# Altium PCB 2025001 B Soutra Plainsong Metronome_PCB.PcbDoc (part 2 of 2)
Units mm, origin at the board's own origin, x right, y up, seen from the top; angles counter-clockwise.
Board outline 140 x 92 mm, 4 copper layers (Top Layer, Layer 1, Layer 2, Bottom Layer), stack 1.587 mm thick; 131 components, 73 nets, 423 pads, 409 vias.
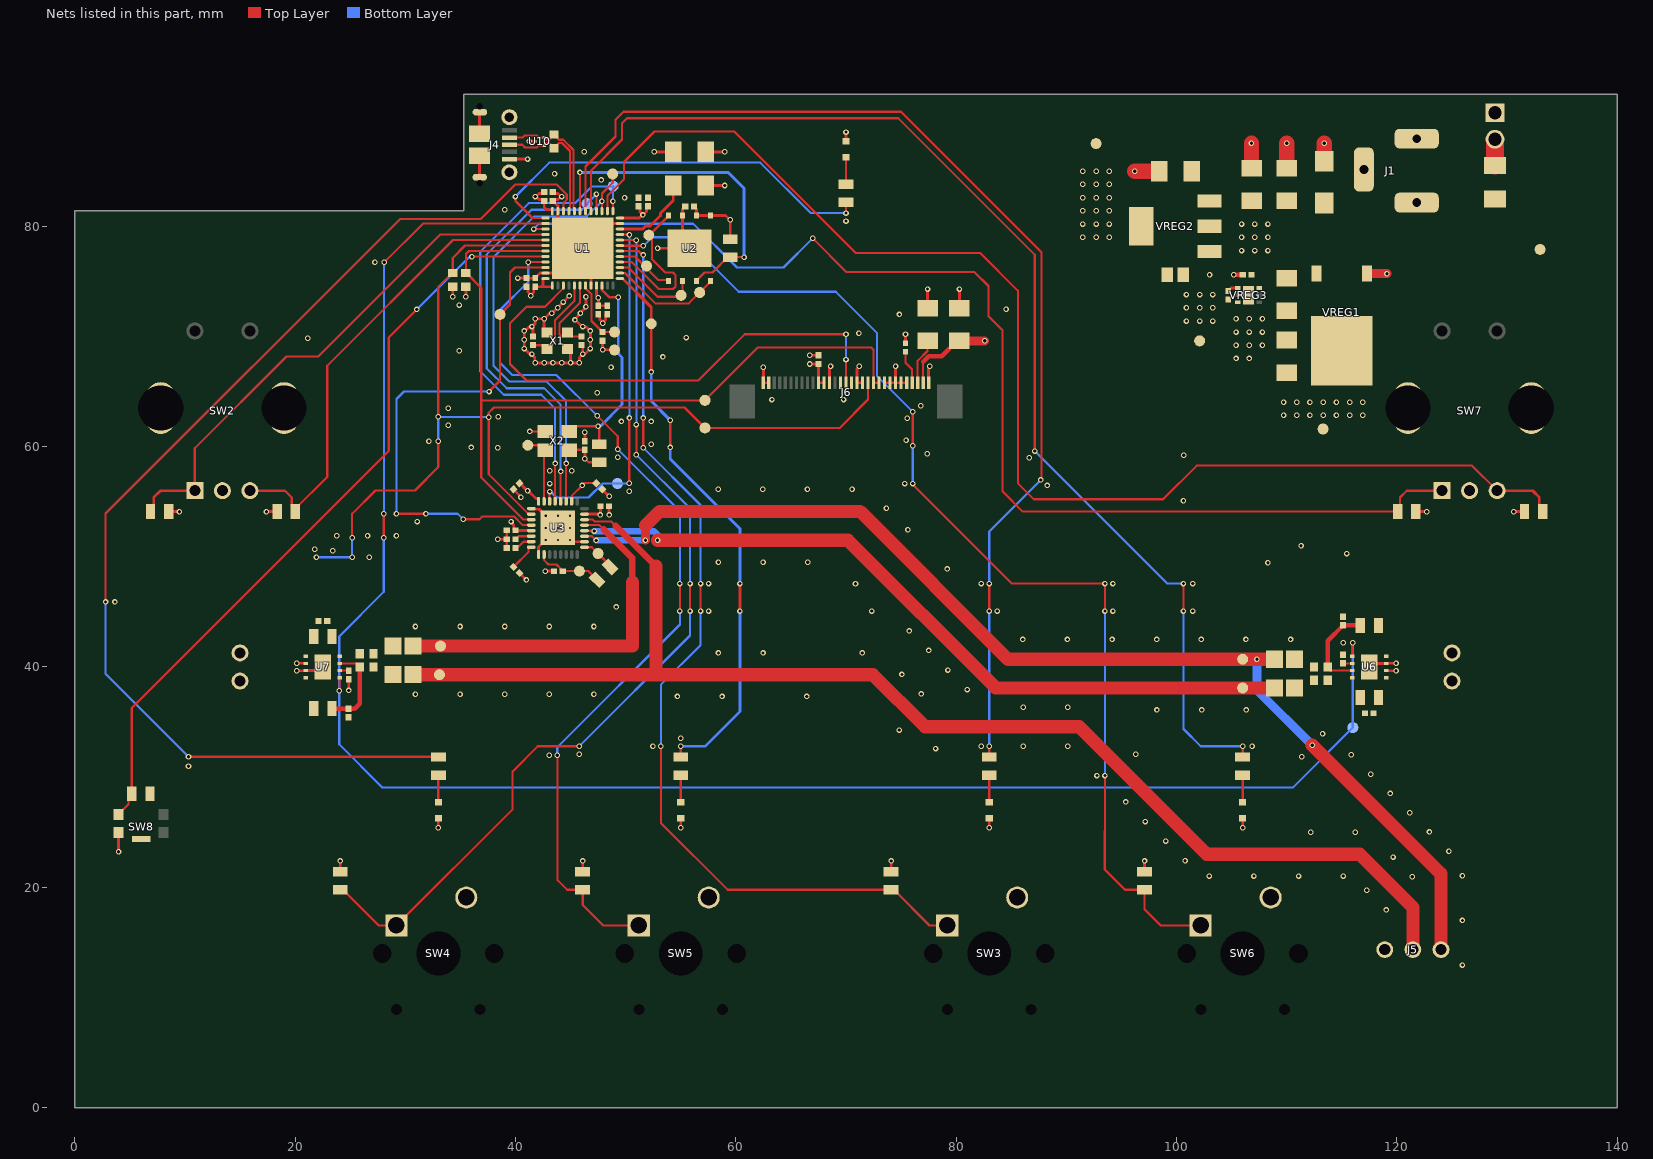
[diagram p4: the nets of this part, all layers, seen from the top]

## Part data (continued)
U6 U7: "Audio Amplifier, 1.4W, 1 Channel(s), 1 Func, BICMOS", Case/Package=HVSON, Manufacturer=Maxim, Max Operating Temperature=85°C, Max Supply Current=8mA, Max Supply Voltage=5.5V, Min Operating Temperature=-40°C, Min Supply Voltage=2.7V, Output Power-Nom=1.4W, Package Equivalence Code=SOLCC8,.12,25, Package Shape=Square, Package Style="SMALL OUTLINE, HEAT SINK/SLUG, VERY THIN PROFILEMeter", Peak Reflow Temperature (Cel)=260°C, Power Supplies=3/5V, Supplier Part Number=2516304, Supplier Part Number 1=MAX9716ETA+TCT-ND, Temperature Grade=INDUSTRIAL, Bandwidth-Nom=22kHz, Category="Amplifiers - Audio", Channels=1, ComponentLink1Description=https://datasheet.ciiva.com:443/pdfs/VipMasterIC/IC/MAXM/MAXMS12627/MAXMS12627-1.pdf?src-supplier=IHS+Markit, ComponentLink1URL=https://datasheet.ciiva.com:443/pdfs/VipMasterIC/IC/MAXM/MAXMS12627/MAXMS12627-1.pdf?src-supplier=IHS+Markit, ComponentLink2Description=https://datasheet.ciiva.com/1481/388069-1481331.pdf?src-supplier=Element14, ComponentLink2URL=https://datasheet.ciiva.com/1481/388069-1481331.pdf?src-supplier=Element14, ComponentLink3Description=https://datasheet.ciiva.com/1790/max9716-max9717-1790242.pdf?src-supplier=Digikey, ComponentLink3URL=https://datasheet.ciiva.com/1790/max9716-max9717-1790242.pdf?src-supplier=Digikey, ComponentLink4Description=https://datasheet.ciiva.com/1790/max9716-max9717-1790243.pdf?src-supplier=Digikey, ComponentLink4URL=https://datasheet.ciiva.com/1790/max9716-max9717-1790243.pdf?src-supplier=Digikey, ComponentLink5Description=https://datasheet.ciiva.com/1790/max9716-max9717-1790244.pdf?src-supplier=Digikey, ComponentLink5URL=https://datasheet.ciiva.com/1790/max9716-max9717-1790244.pdf?src-supplier=Digikey, ComponentLink6Description=https://datasheet.ciiva.com/2968/max9716-max9717-2968854.pdf?src-supplier=Avnet, ComponentLink6URL=https://datasheet.ciiva.com/2968/max9716-max9717-2968854.pdf?src-supplier=Avnet, Consumer IC Type="AUDIO AMPLIFIER", Height - Seated (Max)=0.8mm, JESD-30 Code=S-XDSO-N8, JESD-609 Code=e3, Length=3mm, Manufacturer Part Number=MAX9716ETA+T, Moisture Sensitivity Level=1, Number of Channels=1, Pins=8, Pricing="1=1.41, 10=1.26, 25=1.19, 100=0.982", Pricing 1="1=1.28, 10=1.15, 25=1.08, 100=0.92", Qualification Status="Not Qualified", Reach SVHC Compliant=Yes, RoHS=Yes, RoHS Compliant=Yes, Stock=3265, Supplier=Farnell, Supplier 1=Digikey, Surface Mount=Yes, Technology=BICMOS, Terminal Finish=Tin, Terminal Form="No Lead", Terminal Pitch=0.65mm, Terminal Position=DUAL, Width=3mm
U10: "ESD / Surge Solution for High Speed, Low Voltage Interface, 2 Channels, -40 to +85 degC, 3-pin SOT (DRT), Green (RoHS & no Sb/Br)", Breakdown Voltage(Min)(V)=4.5, Differential Capacitance(pF)=0.05, IO Capacitance(Typ)(pF)=0.7, IO Leakage Current(nA)=10, Manufacturer="Texas Instruments", Supplier Part Number 1=3116501, 1394 / Firewire=TRUE, ComponentLink1Description=Datasheet, ComponentLink1URL=http://www.ti.com/general/docs/lit/getliterature.tsp?genericPartNumber=TPD2EUSB30A&fileType=pdf, ComponentLink2Description="URL Link1", ComponentLink2URL=SamplesURL:http://www.ti.com/product/tpd2eusb30a#samples, DatasheetVersion=SLVSAC2C, Eco-Plan="Green (RoHS & no Sb/Br)", HDMI=TRUE, IEC 61000-4-2 Air-Gap(+/- kV)=8, IEC 61000-4-2 Contact(+/- kV)=8, Manufacturer Part Number=TPD2EUSB30ADRTR, Mounting Technology="Surface Mount", PackageDescription="3-Flat Lead Plastic Small Outline, 1 x 1 mm (inc leads), 0.35 mm Pitch", PackageReference=DRT0003A, PackageVersion="revD, Jun-2008", PartNumber=TPD2EUSB30ADRTR, Pricing 1="5=0.53, 10=0.4, 100=0.22", Serial ATA / eSATA=TRUE, Stock 1=5225, SubFamily="ESD Solution", Supplier 1=Farnell, USB Full Speed=TRUE, USB High Speed=TRUE, USB Super Speed=TRUE
VREG1: Manufacturer=Infineon, Manufacturer Part Number=TLE4284DV50ATMA1, Pricing 1="5=1.49, 50=1.38, 100=1.27", Stock 1=24605, Supplier 1=Farnell, Supplier Part Number 1=TLE4284DV50ATMA1
VREG2: "Fixed Positive LDO Regulator, 3.3V, 1.3V Dropout, BIPolar, PDSO3", Case/Package=SOP, Dropout Voltage1-Max=1.3V, Dropout Voltage1-Nom=1.2V, Input Voltage Absolute-Max=18V, Manufacturer=Diodes, Max Supply Voltage=15V, Operating Temperature, TJ-Max=125°C, Operating Temperature, TJ-Min=-20°C, Output Current1-Max=800mA, Output Voltage1-Max=3.365V, Output Voltage1-Min=3.235V, Output Voltage1-Nom=3.3V, Package Body Material=Plastic, Package Shape=Rectangular, Package Style="SMALL OUTLINEMeter", Supplier Part Number=3483073, Supplier Part Number 1=AZ1117CH-3.3TRG1DICT-ND, Voltage Tolerance-Max=1.97%, Adjustability=FIXED, Category="Voltage Regulators - Linear", Channels=1, ComponentLink1Description=https://datasheet.ciiva.com:443/pdfs/VipMasterIC/IC/DIOD/DIOD-S-A0007713706/DIOD-S-A0007713706-1.pdf?src-supplier=IHS+Markit, ComponentLink1URL=https://datasheet.ciiva.com:443/pdfs/VipMasterIC/IC/DIOD/DIOD-S-A0007713706/DIOD-S-A0007713706-1.pdf?src-supplier=IHS+Markit, ComponentLink2Description=https://datasheet.ciiva.com/29569/az1117c-29569913.pdf?src-supplier=Digikey, ComponentLink2URL=https://datasheet.ciiva.com/29569/az1117c-29569913.pdf?src-supplier=Digikey, ComponentLink3Description=https://datasheet.ciiva.com/29569/az1117c-29569914.pdf?src-supplier=Digikey, ComponentLink3URL=https://datasheet.ciiva.com/29569/az1117c-29569914.pdf?src-supplier=Digikey, ComponentLink4Description=https://datasheet.ciiva.com/29569/az1117c-29569915.pdf?src-supplier=Digikey, ComponentLink4URL=https://datasheet.ciiva.com/29569/az1117c-29569915.pdf?src-supplier=Digikey, Height - Seated (Max)=1.8mm, JESD-30 Code=R-PDSO-G3, JESD-609 Code=e3, Length=6.5mm, Line Regulation-Max=0.01%, Load Regulation-Max=0.015%, Manufacturer Part Number=AZ1117CH-3.3TRG1, Moisture Sensitivity Level=1, Number of Outputs=1, Packaging="Tape and Reel", Pins=3, Pricing="5=0.42, 10=0.25, 100=0.12", Pricing 1="1=0.36, 10=0.27, 25=0.23, 100=0.15", Qualification Status="Not Qualified", Reach SVHC Compliant=Yes, Regulator Type="FIXED POSITIVE SINGLE OUTPUT LDO REGULATOR", RoHS=Yes, RoHS Compliant=Yes, Stock=8830, Supplier=Farnell, Supplier 1=Digikey, Surface Mount=Yes, Technology=BIPOLAR, Terminal Finish=Tin, Terminal Form="Gull Wing", Terminal Pitch=2.3mm, Terminal Position=DUAL, Width=3.5mm
VREG3: "Fixed Positive LDO Regulator", Manufacturer=Diodes, Supplier Part Number=3864505, Supplier Part Number 1=621-AP7370-18FDC-7, Manufacturer Part Number=AP7370-18FDC-7, Pricing="5=0.53, 10=0.42, 100=0.23", Pricing 1="1=0.38, 10=0.271, 100=0.19", RoHS=Yes, Stock=2900, Supplier=Farnell, Supplier 1=Mouser
X1: "Parallel - Fundamental Quartz Crystal", Manufacturer=Multicomp, Supplier Part Number 1=2853878, Manufacturer Part Number=MCSJK-7E-24.00-8-10-60-B-10, Pricing 1="5=0.232, 50=0.188, 250=0.165, 500=0.15, 1500=0.133, 3000=0.129, 15000=0.125, 30000=0.123 (GBP)", RoHS=No, RoHS Compliant=Yes, Stock 1=1530, Supplier 1=Farnell
X2: "CMOS Output Clock Oscillator", Manufacturer=Multicomp, Supplier Part Number 1=2854277, Manufacturer Part Number=MCSJK-3N-12.288-3.3-50-C, Pricing 1="5=0.644, 50=0.522, 250=0.455, 500=0.442, 1500=0.436, 3000=0.43, 15000=0.421, 30000=0.413 (GBP)", RoHS=No, Stock 1=2585, Supplier 1=Farnell

## Via types
v1: diameter 0.5, hole 0.3, Top Layer to Bottom Layer, 385 vias
v2: diameter 2.5, hole 2.5, Top Layer to Bottom Layer, 10 vias
v3: diameter 0.5, hole 0.2, Top Layer to Bottom Layer, 9 vias
v4: diameter 5.5, hole 3.5, Top Layer to Bottom Layer, 5 vias

## Nets (pads, with @x,y where several pads share a name; then routed paths per layer and width w, separated by ;. In a path a pad name is that pad's centre, name@x,y a point inside that pad or via, vN(x,y) a via of type N, cw(c..) or ccw(c..) an arc to the next point about the centre after c; other vN are vias at no path point)
+1V8: C8.1 C22.1 C23.1 C24.1 C28.1 TP4.1 U3.5 U3.23 U3.26 U3.32 VREG3.1 | length 11.7
  Top Layer w0.2: U3.26@45.1,55.04 45.119,55.059 45.119,55.544 v1(46.05,56.475) 46.102,56.475 46.317,56.69 47.31,56.69 C28.1@47.324,56.676
  Top Layer w0.254: v1(39.6,53.2) 39.6,53.133 39.837,52.896 39.837,52.533 39.97,52.4 C23.1@39.99,52.4 41.148,52.4 41.173,52.375 U3.5@41.435,52.375 ; C24.1@40.174,56.662 40.362,56.662 C24.1@40.376,56.676 40.4,56.676 41.076,56 v1(41.1,56) 41.14,56 41.854,55.286 42.079,55.286 42.1,55.265 U3.32@42.1,55.04 ; U3.23@46.265,53.875 47.558,53.875 47.633,53.8 v1(47.7,53.8) 47.705,53.805 47.705,54.595 C22.1@47.71,54.6 ; C8.1@104.67,74.17 C8.1@104.7,74.14 104.7,74.16 104.94,74.4 VREG3.1@105.565,74.4
  other v1: 100.9,71.4 102.1,71.4 103.3,71.4 100.9,72.6 102.1,72.6 103.3,72.6 100.9,73.8 102.1,73.8 103.3,73.8
+3V3: C6.1 C10.1 C11.1 C12.1 C13.1 C14.1 C15.1 C16.1 C17.1 C18.1 C25.1 C41.2 C44.1 J6.11 J6.12 R2.2 R3.2 R4.2 R5.2 R32.2 R33.2 R34.2 R35.2 R36.2 R37.2 R43.2 R44.2 SW8.1 TP3.1 U1.1 U1.9 U1.24 U1.36 U1.48 U2.5 U2.6 VREG2.2 VREG2.4 X2.4 | length 41
  Top Layer w0.2: X2.4@44.935,59.71 C25.1@46.3,59.71 ; v1(46.3,58.9) 46.625,58.575 R5.2@47.6,58.575 R5.2@47.325,58.85 ; v1@46.3,59.01 v1@46.46,58.85
  Top Layer w0.254: v1(3.975,23.225) SW8.1@3.975,25 ; R33.2@8.525,54.1 v1(9.5,54.1) ; v1(17.4,54.1) R32.2@18.375,54.1 ; R35.2@24.1,21.425 v1(24.1,22.4) ; v1(34.3,73.6) R2.2@34.3,74.5 ; v1(35.5,73.6) R3.2@35.5,74.5 ; C12.1@41,74.51 41.133,74.377 41.133,74.034 v1@41.4,73.767 ; v1(41.4,73.7) v1@41.4,73.767 ; v1(41.8,82.7) v1@41.867,82.7 ; C15.1@42.61,83.1 42.477,82.967 42.134,82.967 v1@41.867,82.7 ; U1.48@42.725,75.25 42.502,75.25 42.5,75.248 42.5,74.51 ; U1.1@43.35,74.625 43.35,74.512 43.348,74.51 42.5,74.51 ; U1.36@43.35,81.375 43.35,81.498 43.348,81.5 42.8,81.5 42.61,81.69 C16.1@42.61,82.3 42.477,82.433 42.134,82.433 v1@41.867,82.7 ; R36.2@46.1,21.425 v1(46.1,22.4) ; v1(46.3,58.9) 46.3,59.01 C25.1@46.3,59.71 ; U1.9@47.35,74.625 47.35,73.767 47.525,73.592 C17.1@47.525,72.79 C18.1@48.325,72.79 ; U1.24@49.475,80.75 51.233,80.75 51.508,81.025 v1(51.575,81.025) ; C10.1@51.175,81.81 51.308,81.677 51.308,81.292 v1(51.575,81.025) ; C11.1@52.025,81.81 51.892,81.677 51.892,81.342 v1(51.575,81.025) ; C44.1@56.19,81.8 56.21,81.8 56.435,81.575 U2.6@56.435,80.975 U2.5@57.705,80.975 59.058,80.975 59.433,80.6 v1(59.5,80.6) R4.2@59.5,78.825 ; C13.1@57.276,86.75 v1@58.911,86.75 ; v1(66.7,67.5) 66.705,67.505 67.495,67.505 C41.2@67.5,67.51 J6.11@67.5,65.8 J6.12@68,65.8 ; R34.2@74.1,21.425 v1(74.1,22.4) ; R37.2@97.1,21.425 v1(97.1,22.4) ; R44.2@121.725,54.1 v1(122.7,54.1) ; v1(130.6,54.1) R43.2@131.575,54.1 ; v1@41.4,73.767 41.667,74.034 41.667,74.377 C14.1@41.8,74.51 42.5,74.51
  other v1: 47.525,73.525 91.5,79 92.7,79 93.9,79 91.5,80.2 92.7,80.2 93.9,80.2 91.5,81.4 92.7,81.4 93.9,81.4 91.5,82.6 92.7,82.6 93.9,82.6 91.5,83.8 92.7,83.8 93.9,83.8 91.5,85 92.7,85 93.9,85 59,86.75
+5V: C2.1 TP2.1 U6.6 U7.6 VREG1.2 | length 1.7
  Top Layer w0.254: v1(20.15,40.35) 20.162,40.338 20.937,40.338 U7.6@20.95,40.325 ; U6.6@119.05,39.675 119.062,39.662 119.913,39.662 v1(119.925,39.65)
  other v1: 109.712,62.84 110.912,62.84 112.112,62.84 113.312,62.84 114.512,62.84 115.712,62.84 116.912,62.84 109.712,64.04 110.912,64.04 112.112,64.04 113.312,64.04 114.512,64.04 115.712,64.04 116.912,64.04
+12V: C1.1 C3.1 C4.1 C5.1 C7.1 C43.1 D1.1 F1.2 J6.30 TP1.1 VREG1.3 VREG2.3 VREG3.6 | length 8.3
  Top Layer w0.2: J6.30@77,65.8 77,67.7 ; C43.1@80.124,69.624 C43.1@80.3,69.624 C43.1@80.324,69.6
  Top Layer w0.4: 77,67.7 77.5,68.2 78.7,68.2 C43.1@80.124,69.624
  Top Layer w0.8: C43.1@80.324,69.6 v1(82.6,69.6)
  other v1: 105.9,77.8 107.1,77.8 108.3,77.8 105.9,79 107.1,79 108.3,79 105.9,80.2 107.1,80.2 108.3,80.2
\A\M\P\_\S\H\D\N\: TP31.1 U1.38 U6.1 U7.1 | length 167.6
  Top Layer w0.2: v1(24,37.85) 24.025,37.875 24.025,39 U7.1@24.05,39.025 ; v1(28.05,51.725) v1(28.05,53.9) ; v1(28.1,76.725) 31.625,80.25 U1.38@42.725,80.25 ; U6.1@115.95,40.975 115.975,41 115.975,42.175 v1(116,42.2)
  Bottom Layer w0.2: v1(28.05,51.725) 28.05,46.825 24,42.775 v1(24,37.85) 24,32.975 27.925,29.05 110.55,29.05 TP31.1@116,34.5 v1(116,42.2) ; v1(28.05,53.9) 28.075,53.925 28.075,76.7 v1(28.1,76.725)
\C\O\D\E\C\_\I\R\Q\: TP11.1 U1.46 U3.4 | length 47
  Top Layer w0.2: v1(29.2,53.9) v1(31.875,53.9) ; v1(35.25,53.4) 36.675,53.4 36.7,53.375 36.975,53.65 39.889,53.65 40.664,52.875 U3.4@41.435,52.875 ; v1(37.6,65) 38.6,66 TP11.1@38.6,72 39.5,72.9 39.5,75.8 39.95,76.25 U1.46@42.725,76.25
  Bottom Layer w0.2: v1(29.2,53.9) 29.2,64.325 29.875,65 v1(37.6,65) ; v1(31.875,53.9) 34.75,53.9 v1(35.25,53.4)
\C\S\: TP16.1 U1.14 U2.4 | length 10.2
  Top Layer w0.2: U1.14@49.475,75.75 49.95,75.75 52.7,73 55.73,73 57.705,74.975 U2.4@57.705,75.025
BOOT0: R1.2 SW8.2 U1.44 | length 70.5
  Top Layer w0.2: SW8.2@3.975,26.6 3.975,26.65 4.877,27.552 4.877,28.202 R1.2@5.175,28.5 5.175,36.275 28.498,59.598 28.498,69.898 v1(31.05,72.45) ; v1(36.05,77.225) 36.075,77.25 U1.44@42.477,77.25
  Bottom Layer w0.2: v1(31.05,72.45) 35.778,77.178 36.003,77.178 v1(36.05,77.225)
CANCEL_LED: R40.1 TP32.1 U1.13 | length 51.6
  Top Layer w0.2: R40.1@55,31.825 v1(55,32.8)
  Top Layer w0.254: U1.13@49.475,75.25 49.721,75.25 52.325,72.646 v1(52.325,66.775) ; v1(54.05,59.925) v1(54.05,62.4) ; v1(60.375,45.075) v1(60.375,47.575)
  Bottom Layer w0.254: v1(52.325,66.775) 52.325,64.125 v1(54.05,62.4) ; v1(54.05,59.925) 54.05,58.875 60.375,52.55 v1(60.375,47.575) ; v1(55,32.8) 57.2,32.8 60.375,35.975 v1(60.375,45.075)
D_N: J4.2 R46.1 U1.32 U10.2 | length 12.6
  Top Layer w0.2: J4.2@39.45,88.05 40.672,88.05 40.872,88.25 41.92,88.25 42.12,88.05 U10.2@42.625,88.05 42.675,88 42.675,87.967 42.792,87.85 43.075,87.85 43.175,87.95 43.175,88.05 43.45,88.325 R46.1@43.5,88.325 43.55,88.325 43.825,88.05 43.825,87.967 43.942,87.85 44.349,87.85 45.275,86.924 45.275,81.713 45.35,81.639 U1.32@45.35,81.375
D_P: J4.3 R46.2 U1.33 U10.1 | length 12.1
  Top Layer w0.2: J4.3@39.45,87.4 40.622,87.4 40.872,87.15 41.92,87.15 42.12,87.35 U10.1@42.625,87.35 42.675,87.4 42.675,87.45 42.775,87.55 43.075,87.55 43.175,87.45 43.175,87.35 43.45,87.075 R46.2@43.5,87.075 43.55,87.075 43.825,87.35 43.825,87.433 43.942,87.55 44.225,87.55 44.95,86.825 44.95,81.739 44.86,81.648 44.86,81.385 U1.33@44.85,81.375
FLASH_RESET: R4.1 U1.31 U2.3 | length 30.5
  Top Layer w0.2: U1.31@45.851,81.376 v1(45.852,84.887) ; U2.3@56.435,75.025 56.435,75.075 57.16,75.8 57.875,75.8 59.25,77.175 R4.1@59.5,77.175 ; R4.1@59.525,77.2 v1(60.75,77.2)
  Top Layer w0.254: R4.1@59.5,77.175 R4.1@59.525,77.2
  Bottom Layer w0.254: v1(45.852,84.887) 59.313,84.887 60.75,83.45 v1(60.75,77.2)
GND: C1.2 C2.2 C3.2 C4.2 C5.2 C6.2 C7.2 C8.2 C9.2 C10.2 C11.2 C12.2 C13.2 C14.2 C15.2 C16.2 C17.2 C18.2 C19.2 C20.2 C21.2 C22.2 C23.2 C24.2 C25.2 C26.2 C27.2 C28.2 C29.2 C30.2 C31.2 C32.2 C37.2 C38.2 C41.1 C42.2 C43.2 C44.2 D1.2 D4.1 D5.1 D6.1 D7.1 D10.1 J1.2 J1.3 J4.5 J4.6 J4.7 J4.8 J4.9 J4.10 J4.11 J5.1 J6.1 J6.2 J6.13 J6.15 J6.17 J6.18 J6.19 J6.23 J6.24 J6.25 J6.26 J6.27 J6.31 R1.1 R30.1 SW2.3 SW2.4 SW2.C SW3.2 SW4.2 SW5.2 SW6.2 SW7.3 SW7.4 SW7.C SW8.5 TP6.1 U1.8 U1.23 U1.35 U1.47 U1.49 U2.7 U2.9 U3.1 U3.9 U3.18 U3.33 U6.7 U6.9 U7.7 U7.9 U10.3 VREG1.1 VREG2.1 VREG3.3 VREG3.7 X1.2 X1.4 X2.2 | length 107.9
  Top Layer w0.2: v1(41.3,61.375) X2.2@42.7,61.375 ; J6.1@62.5,65.8 J6.2@63,65.8 ; J6.18@71,65.8 J6.19@71.5,65.8 ; J6.23@73.5,65.8 J6.24@74,65.8 J6.25@74.5,65.8 J6.26@75,65.8 J6.27@75.5,65.8
  Top Layer w0.254: v1(20.15,39.65) 20.162,39.662 20.938,39.662 U7.7@20.95,39.675 22.175,39.675 U7.9@22.5,40 ; v1(24.875,37.875) C38.2@24.875,38.885 ; v1(33,25.4) D5.1@33,26.275 ; J4.11@36.75,83.9 J4.10@36.75,86.4 ; J4.9@36.75,88.4 36.75,90.875 J4.8@36.775,90.9 ; v1(38.4,51.6) C30.2@39.21,51.6 ; C27.2@39.21,50.8 C30.2@39.21,51.6 ; C23.2@39.21,52.4 C30.2@39.21,51.6 ; J4.5@39.45,86.1 v1(41.1,86.1) ; C24.2@39.824,56.124 39.824,56.1 40.5,55.424 v1(40.5,55.4) ; v1(40.2,75.3) 40.205,75.295 40.995,75.295 C12.2@41,75.29 C14.2@41.8,75.29 41.8,75.31 42.238,75.748 42.723,75.748 U1.47@42.725,75.75 43.85,75.75 U1.49@43.9,75.8 ; C29.2@40.376,48.524 v1(41,47.9) ; v1(41.25,87.7) U10.3@41.775,87.7 ; U3.1@41.435,54.375 41.697,54.375 41.72,54.352 41.741,54.352 41.78,54.313 42.162,54.313 v3(42.75,53.725) ; C20.2@41.6,69.99 v1@41.6,70.733 ; U3.9@42.1,50.21 42.1,50.875 v3(42.75,51.525) ; v1(42.7,48.7) C26.2@43.51,48.7 ; X1.4@42.875,70.35 42.6,70.625 v1(42.6,71.6) ; C15.2@43.39,83.1 43.523,82.967 43.866,82.967 v1@44.133,82.7 ; U1.49@43.9,80.2 43.85,80.25 U1.35@43.85,81.375 43.848,81.377 43.848,81.862 43.41,82.3 C16.2@43.39,82.3 43.523,82.433 43.866,82.433 v1@44.133,82.7 ; v1(44.2,82.7) v1@44.133,82.7 ; X1.2@44.725,68.85 45,68.575 v1(45,67.6) ; v1(44.875,73.675) 44.875,73.662 44.35,73.137 v1(44.35,73.125) v1(43.825,72.6) 43.813,72.6 43.313,72.1 v1(43.3,72.1) 43.253,72.053 43.053,72.053 v1(42.6,71.6) ; v3(44.95,51.525) 45.1,51.375 U3.18@46.265,51.375 ; C21.2@46,69.21 46.1,69.11 v1(46.1,68.4) ; v1(46.1,70.9) 46.05,70.9 45.45,71.5 v1(45.4,71.5) 45.4,71.6 v1(45.9,72.1) 45.9,72.15 46.4,72.65 v1(46.4,72.7) v1(46.4,73.6) ; v1@46.142,70.858 46.442,70.858 v1(46.8,70.5) v1(46.8,69.7) v1(46.8,68.9) 46.347,68.447 46.147,68.447 v1(46.1,68.4) ; C25.2@46.3,60.49 v1(46.3,61.3) ; U1.8@46.85,74.625 46.85,75.45 U1.49@47.2,75.8 ; C17.2@47.525,72.01 47.658,71.877 47.658,71.534 v1@47.925,71.267 ; C28.2@47.876,56.124 v1(48.5,55.5) v1@48.495,55.495 ; v1@47.9,68.975 C19.2@47.9,69.61 ; v1@47.925,68.975 v1(47.925,68.8) 48.975,68.8 TP6.1@49,68.775 ; v1(47.925,71.2) v1@47.925,71.267 ; U1.49@48.3,80.2 48.35,80.25 U1.23@49.475,80.25 ; C18.2@48.325,72.01 48.192,71.877 48.192,71.534 v1@47.925,71.267 ; C22.2@48.495,54.605 C22.2@48.49,54.6 48.495,54.595 48.495,53.805 v1(48.5,53.8) ; v1@52.606,86.75 C13.2@54.324,86.75 ; v1(52.9,78) U2.9@55.8,78 55.165,78.635 U2.7@55.165,80.975 55.165,81.575 55.39,81.8 C44.2@55.41,81.8 ; v1(55,25.4) D6.1@55,26.275 ; C9.2@57.276,83.7 v1@59.029,83.7 ; J6.1@62.5,65.8 v1(62.5,67.2) ; v1(66.7,68.3) 66.705,68.295 67.495,68.295 C41.1@67.5,68.29 ; J6.13@68.5,65.8 68.5,67.133 68.6,67.233 v1(68.6,67.3) ; D10.1@70,87.725 v1(70,88.55) ; J6.18@71,65.8 71,67.033 71.2,67.233 v1(71.2,67.3) ; J6.25@74.5,65.8 v1(74.5,67.3) ; R30.1@75.4,69.375 v1(75.4,70.2) ; C42.2@77.4,72.576 v1(77.4,74.3) ; J6.31@77.5,65.8 77.5,67.133 77.6,67.233 v1(77.6,67.3) ; C43.2@80.3,72.576 v1(80.3,74.3) ; v1(83,25.4) D4.1@83,26.275 ; v1(106,25.4) D7.1@106,26.275 ; C3.2@106.8,85.284 C3.2@106.828,85.256 ; C4.2@109.992,85.276 C4.2@110,85.285 ; U6.9@117.5,40 117.825,40.325 U6.7@119.05,40.325 119.063,40.338 119.913,40.338 v1(119.925,40.35) ; v1(42.6,71.6) v1(41.8,71.6) 41.8,71.2 v1(41.5,70.9) 41.453,70.853 41.219,70.853 40.867,70.5 v1(40.8,70.5) v1(40.8,69.7) v1(40.8,68.9) 41.253,68.447 41.453,68.447 v1(41.5,68.4) 41.5,68.333 41.753,68.081 41.753,67.647 v1(41.8,67.6) v1(42.6,67.6) v1(43.4,67.6) v1(44.2,67.6) v1(45,67.6) ; v1(45,67.6) v1(45.8,67.6) 45.8,68.1 v1(46.1,68.4)
  Top Layer w0.4: v1(105.2,75.6) C7.2@106.01,75.6
  Top Layer w0.8: VREG1.1@117.28,75.7 v1(119.1,75.7)
  Top Layer w1.4: v1(96.2,85) C5.2@98.424,85 ; C3.2@106.8,85.284 v1(106.8,87.525) ; C4.2@110,85.285 v1(110,87.525) ; D1.2@113.4,85.9 v1(113.4,87.525)
  other v1: 125.95,12.95 125.95,17 119.025,17.95 117.275,19.725 121.4,20.975 102.975,21.025 107.025,21.025 111.075,21.025 115.125,21.025 125.95,21.05 100.775,22.425 119.65,22.75 124.725,23.275 99.025,24.2 112.175,25 116.225,25 122.95,25.025 97.15,25.975 121.175,26.775 95.4,27.75 119.4,28.525 92.775,30.15 117.625,30.275 10.325,31 111.375,31.85 43.075,32 115.85,32.025 45.8,32.075 96.3,32.075 78.125,32.6 52.475,32.8 82.275,32.8 86.075,32.8 90.125,32.8 106.85,32.8 55,33.525 113.25,33.95 74.825,34.275 98.225,36.1 102.275,36.1 106.325,36.1 86.075,36.35 90.125,36.35 54.7,37.325 58.75,37.325 66.45,37.325 30.925,37.525 34.975,37.525 39.025,37.525 43.075,37.525 47.125,37.525 76.825,37.55 81,37.95 75.075,39.325 79.25,39.725 58.425,41.275 62.475,41.275 71.475,41.275 77.5,41.5 115.125,42.2 86.05,42.5 90.1,42.5 94.15,42.5 98.2,42.5 102.25,42.5 106.3,42.5 110.35,42.5 75.75,43.275 30.925,43.675 34.975,43.675 39.025,43.675 43.075,43.675 47.125,43.675 57.525,45.075 72.325,45.075 83.725,45.075 94.225,45.075 101.475,45.075 49.15,45.45 3.65,45.9 57.525,47.575 70.862,47.563 82.275,47.575 94.225,47.575 101.475,47.575 79.2,48.9 108.3,49.45 58.425,49.5 62.475,49.5 66.525,49.5 26.725,49.95 115.45,50.3 23.425,50.55 21.775,50.7 111.3,51 23.775,51.9 26.575,51.9 29.2,51.9 75.625,52.45 31.1,53.2 73.675,54.4 100.625,55.1 50.325,55.95 58.4,56.125 62.45,56.125 66.5,56.125 70.55,56.125 88.275,56.475 43.1,56.65 75.325,56.65 43.1,57.8 45.1,57.8 86.625,59 49.275,59.05 100.65,59.225 77.375,59.35 38.4,59.9 36,59.925 52.33,60.216 32.15,60.5 75.45,60.575 33.902,61.927 49.616,62.284 52.33,62.284 75.55,62.575 38.45,62.725 33.902,63.473 76.775,63.7 63.275,64.275 69.775,64.275 47.425,64.9 48.675,67.2 105.4,68 106.6,68 53.387,68.138 34.9,68.7 105.4,69.2 106.6,69.2 107.8,69.2 21.15,69.85 55.5,69.9 71.175,70.29 105.4,70.4 106.6,70.4 107.8,70.4 105.4,71.6 106.6,71.6 107.8,71.6 74.85,72 84.525,72.475 34.9,72.85 103,75.6 27.25,76.725 70,80.475 39.025,81.5 49.9,82.575 59,83.7 47.8,84.2 43.55,84.775 46.252,86.752 52.6,86.75
  other v3: 43.85,51.525 42.75,52.625 43.85,52.625 44.95,52.625 43.85,53.725 44.95,53.725
I2S_CK: TP12.1 U1.21 U3.30 | length 32.3
  Top Layer w0.2: U3.30@43.1,55.04 v1(43.1,55.925) ; U1.21@49.475,79.25 49.485,79.24 v1(50.346,79.24) ; v1(50.325,56.675) 50.335,56.685 50.335,62.59 v1(50.346,62.6)
  Bottom Layer w0.2: v1(43.1,55.925) 43.181,55.925 43.731,55.375 46.625,55.375 47.892,56.642 49.242,56.642 TP12.1@49.25,56.65 49.262,56.663 50.313,56.663 v1(50.325,56.675) ; v1(50.346,62.6) v1(50.346,79.24)
I2S_EXT_SD: TP14.1 U1.27 U3.27 | length 42.6
  Top Layer w0.2: U3.27@44.6,55.04 v1(44.6,58.475) ; U1.27@47.85,81.375 47.85,82.975 48.825,83.95 TP14.1@48.825,84.75
  Bottom Layer w0.2: v1(44.6,58.475) 44.6,64.15 42.85,65.9 39.45,65.9 38,67.35 38,77.2 41.7,80.9 46.475,80.9 v1(47.85,82.275)
I2S_SD: TP15.1 U1.28 U3.28 | length 41
  Top Layer w0.2: U3.28@44.1,55.04 v1(44.1,57.75) ; U1.28@47.35,81.375 v1(47.35,82.925)
  Bottom Layer w0.2: v1(44.1,57.75) 44.1,63.8 42.6,65.3 39.2,65.3 37.4,67.1 37.4,77.45 41.45,81.5 46.023,81.5 TP15.1@46.537,82.013 ; TP15.1@46.5,82.05 46.5,82.062 47.35,82.912 v1(47.35,82.925)
I2S_WS: TP13.1 U1.25 U3.29 | length 44.3
  Top Layer w0.2: U3.29@43.6,55.04 v1(43.6,58.475) ; U1.25@48.85,81.375 v1(48.85,82.275)
  Bottom Layer w0.2: v1(43.6,58.475) 43.6,63.45 42.35,64.7 38.95,64.7 36.8,66.85 36.8,77.7 41.2,82.1 45.4,82.1 46.9,83.6 48.827,83.6 TP13.1@48.858,83.631 ; v1(48.85,82.275) 48.858,82.283 TP13.1@48.858,83.631 ; TP13.1@48.866,83.639 TP13.1@48.858,83.631
JACKSNS: R7.1 TP26.1 U3.17 | length 3.1
  Top Layer w0.2: U3.17@46.265,50.875 46.925,50.875 TP26.1@47.5,50.3 48.583,49.217 R7.1@48.583,49.083
LOUT+: C34.1 J5.2 TP25.1 U3.22 | length 121.4
  Top Layer w0.2: U3.22@46.265,53.375 47.025,53.375 47.2,53.2 48.7,53.2 49.1,52.8
  Top Layer w0.6: 49.1,52.8 52.751,49.149
  Top Layer w1.2: C34.1@30.7,39.3 TP25.1@33.1,39.3 52.751,39.3 ; 52.751,49.149 52.751,39.3 ; J5.2@121.45,14.35 121.45,18.175 116.625,23 102.75,23 91.175,34.575 77.175,34.575 72.45,39.3 52.751,39.3
LOUT-: C36.1 TP27.1 U3.21 | length 33.5
  Top Layer w0.2: U3.21@46.265,52.875 47.625,52.875 48,52.5
  Top Layer w0.6: 48,52.5 50.6,49.9 50.6,47.725 50.625,47.7
  Top Layer w1.2: C36.1@30.7,41.9 TP27.1@33.2,41.9 50.6,41.9 50.625,41.925 50.625,47.7
MCLK: TP24.1 U3.31 X2.3 | length 5.4
  Top Layer w0.2: TP24.1@41.325,60.116 X2.3@42.159,60.116 ; U3.31@42.6,55.04 X2.3@42.6,59.575
MCLK_EN: R5.1 U1.10 X2.1 | length 19.6
  Top Layer w0.2: X2.1@44.8,61.375 X2.1@44.9,61.375 45.375,61.85 v1(47.5,61.85) 47.5,61.769 47.6,61.669 R5.1@47.6,60.225
  Top Layer w0.254: U1.10@47.85,74.625 47.85,74.225 48.525,73.55 v1(49.325,73.55)
  Bottom Layer w0.254: v1(47.5,61.85) 47.547,61.897 47.747,61.897 49.675,63.825 49.675,68.1 49.325,68.45 v1(49.325,73.55)
MICBIAS: C26.1 R7.2 TP28.1 U3.10 | length 6.1
  Top Layer w0.2: U3.10@42.6,50.21 42.6,49.7 43,49.3 43.733,49.3 44.11,48.923 44.11,48.86 44.27,48.7 C26.1@44.29,48.7 TP28.1@45.8,48.7 46.633,48.7 R7.2@47.417,47.917
NetC9_1: C9.1 U1.22 | length 7.4
  Top Layer w0.254: U1.22@49.475,79.75 51.55,79.75 51.825,80.025 52.225,80.025 53.161,80.961 53.161,81.186 54.324,82.349 C9.1@54.324,83.7
NetC19_1: C19.1 TP5.1 U1.7 | length 6
  Top Layer w0.2: U1.7@46.35,74.625 46.35,74.375 46.9,73.825 46.9,71.41 47.9,70.41 C19.1@47.9,70.39 47.905,70.395 48.995,70.395 TP5.1@49,70.4
NetC20_1: C20.1 U1.5 X1.1 | length 8.3
  Top Layer w0.2: C20.1@41.6,69.21 42.465,69.21 42.825,68.85 X1.1@42.875,68.85 42.925,68.85 43.248,69.173 43.248,69.223 43.6,69.575 43.6,71.5 45.35,73.25 U1.5@45.35,74.625
NetC21_1: C21.1 U1.6 X1.3 | length 7.6
  Top Layer w0.2: U1.6@45.85,74.625 45.85,73.05 44,71.2 44,70.2 44.2,70 44.375,70 X1.3@44.725,70.35 44.775,70.35 45.135,69.99 C21.1@46,69.99
NetC27_1: C27.1 U3.7 | length 1.7
  Top Layer w0.2: C27.1@39.99,50.8 40.15,50.96 40.32,50.96 40.735,51.375 U3.7@41.435,51.375
NetC29_1: C29.1 U3.8 | length 2.6
  Top Layer w0.2: C29.1@39.824,49.076 41.173,50.425 41.173,50.829 41.22,50.875 U3.8@41.435,50.875
NetC30_1: C30.1 U3.6 | length 1.6
  Top Layer w0.2: C30.1@39.99,51.6 40.01,51.6 40.285,51.875 U3.6@41.435,51.875
NetC31_1: C31.1 R8.2 R10.2 U6.3 | length 8.3
  Top Layer w0.2: R10.2@114,39.675 U6.3@115.95,39.675
  Top Layer w0.254: R10.2@113.725,40 113.725,39.95 R10.2@114,39.675 ; C31.1@115.1,43.765 C31.1@115.1,43.785 ; R8.2@116.665,43.785 R8.2@116.675,43.775
  Top Layer w0.4: R10.2@113.725,40 113.725,42.39 C31.1@115.1,43.765 ; C31.1@115.1,43.785 R8.2@116.665,43.785
NetC32_1: C32.1 R9.2 R11.2 U7.3 | length 8.1
  Top Layer w0.2: U7.3@24,40.325 U7.3@24.05,40.325 25.6,40.325 R11.2@25.875,40.05
  Top Layer w0.254: R9.2@23.35,36.225 R9.2@23.36,36.215 ; R11.2@25.875,40 R11.2@25.875,40.05
  Top Layer w0.4: R9.2@23.36,36.215 25.415,36.215 25.875,36.675 R11.2@25.875,40
NetC33_2: C33.2 R10.1
NetC34_2: C34.2 R11.1
NetC35_2: C35.2 R12.1
NetC36_2: C36.2 R13.1
NetC37_1: C37.1 U6.2 | length 0.9
  Top Layer w0.2: C37.1@115.105,40.33 U6.2@115.945,40.33
  Top Layer w0.254: C37.1@115.1,40.335 C37.1@115.105,40.33 ; U6.2@115.945,40.33 U6.2@115.95,40.325
NetC38_1: C38.1 U7.2 | length 0.9
  Top Layer w0.2: U7.2@24.05,39.675 U7.2@24.1,39.675 ; U7.2@24.055,39.67 C38.1@24.87,39.67
  Top Layer w0.254: U7.2@24.05,39.675 U7.2@24.055,39.67 ; C38.1@24.87,39.67 C38.1@24.875,39.665
NetC39_1: C39.1 R12.2 R14.2 U6.4 | length 0.4
  Top Layer w0.2: R12.2@113.8,38.725 R12.2@113.725,38.8 R12.2@113.95,39.025
NetC39_2: C39.2 J2.1 R14.1 U6.5 | length 0.4
  Top Layer w0.2: J2.1@124.75,38.975 J2.1@125,38.725
NetC40_1: C40.1 R6.2 R13.2 U7.4 | length 0.3
  Top Layer w0.2: R13.2@25.65,40.975 R13.2@25.875,41.2
NetC40_2: C40.2 J3.1 R6.1 U7.5 | length 0.5
  Top Layer w0.2: J3.1@15.025,41.3 J3.1@15,41.275 J3.1@15.25,41.025 ; U7.5@20.9,40.975 U7.5@20.95,40.975 U7.5@21,40.975
NetC42_1: C42.1 J6.29 | length 4.2
  Top Layer w0.2: J6.29@76.5,65.8 76.5,67.8 77.388,68.688 77.388,69.612 C42.1@77.4,69.624
NetD4_2: D4.2 R38.2 | length 2.5
  Top Layer w0.2: D4.2@83,27.725 R38.2@83,30.175
NetD5_2: D5.2 R39.2 | length 2.5
  Top Layer w0.2: D5.2@33,27.725 R39.2@33,30.175
NetD6_2: D6.2 R40.2 | length 2.5
  Top Layer w0.2: D6.2@55,27.725 R40.2@55,30.175
NetD7_2: D7.2 R41.2 | length 2.5
  Top Layer w0.2: D7.2@106,27.725 R41.2@106,30.175
NetD10_2: D10.2 R45.2 | length 2.5
  Top Layer w0.2: R45.2@70,83.825 D10.2@70,86.275
NetF1_1: F1.1 SW1.2 | length 2.4
  Top Layer w1.6: F1.1@128.9,85.52 SW1.2@128.9,87.9
NetJ1_1: J1.1 SW1.1
NetJ2_2: J2.2 R8.1 U6.8 | length 0.4
  Top Layer w0.2: J2.2@124.75,41.025 J2.2@125,41.275
NetJ3_2: J3.2 R9.1 U7.8 | length 0.1
  Top Layer w0.2: J3.2@15,38.725 J3.2@15.075,38.8 ; U7.8@20.934,39.009 U7.8@20.95,39.025
NetJ6_16: J6.16 U1.3 | length 47.4
  Top Layer w0.2: U1.3@44.35,74.625 44.35,74.375 42.675,72.7 41,72.7 39.5,71.2 39.5,67.5 41,66 56.6,66 60.8,70.2 v1(70,70.2) ; J6.16@70,65.8 v1(70,67.9)
  Bottom Layer w0.2: v1(70,67.9) v1(70,70.2)
NetJ6_20: J6.20 R2.1 TP8.1 U1.42 U3.2 | length 98.8
  Top Layer w0.2: v1@21.93,49.95 v1(21.936,49.955) ; v1(25.175,49.95) v1@25.2,49.925 ; v1(25.175,51.725) 25.175,53.9 27.3,56.025 30.875,56.025 33,58.15 v1(33,60.5) ; v1(33,62.7) 33,74.5 34.25,75.75 R2.1@34.3,75.75 34.3,77.125 35.425,78.25 U1.42@42.725,78.25 ; U3.2@41.435,53.875 41.402,53.908 41.152,53.908 37.575,57.485 v1(37.575,62.675) 37.575,63.075 38.05,63.55 55.35,63.55 TP8.1@57.2,61.7 69.425,61.7 72,64.275 J6.20@72,65.8
  Bottom Layer w0.2: v1(21.936,49.955) 21.938,49.953 25.172,49.953 v1(25.175,49.95) v1(25.175,51.725) ; v1(33,60.5) v1(33,62.7) 33.012,62.687 37.563,62.687 v1(37.575,62.675)
NetJ6_21: J6.21 J6.22 R3.1 TP7.1 U1.43 U3.3 | length 75.5
  Top Layer w0.2: U3.3@41.435,53.375 40.725,53.375 36.9,57.2 36.9,64.2 ; U1.43@42.725,77.75 35.775,77.75 35.5,77.475 R3.1@35.5,75.75 35.55,75.75 36.9,74.4 36.9,64.2 ; J6.22@73,65.8 J6.21@72.5,65.8 72.5,68.8 72.3,69 62,69 TP7.1@57.2,64.2 36.9,64.2
NetJ6_28: J6.28 R30.2 | length 3.1
  Top Layer w0.2: R30.2@75.4,68.625 75.4,67.6 76,67 J6.28@76,65.8
NetR32_1: R32.1 SW2.B U1.41 | length 44.2
  Top Layer w0.2: SW2.B@15.9,56 19.075,56 19.7,55.375 19.7,54.675 R32.1@20.025,54.35 ; R32.1@20.025,54.1 R32.1@20.025,54.35 ; U1.41@42.725,78.75 34.325,78.75 22.925,67.35 22.925,57.25 R32.1@20.025,54.35
NetR33_1: R33.1 SW2.A U1.40 | length 49.1
  Top Layer w0.2: SW2.A@10.9,56 10.9,59.85 19.225,68.175 22.1,68.175 33.175,79.25 U1.40@42.725,79.25
  Top Layer w0.254: R33.1@6.875,54.1 7.165,54.39 7.165,55.39 7.775,56 SW2.A@10.9,56
NetR34_1: R34.1 SW3.1 U1.18 | length 87.3
  Top Layer w0.2: U1.18@49.475,77.75 51.172,77.75 51.522,77.4 v1(51.6,77.4) ; v1(51.6,59.9) v1(51.6,62.6) ; v1(53.2,32.8) 53.2,25.85 59.275,19.775 R34.1@74.1,19.775 74.35,19.775 77.585,16.54 SW3.1@79.19,16.54 ; v1(56.8,45.075) v1(56.8,47.575)
  Bottom Layer w0.2: v1(51.6,59.9) 56.8,54.7 v1(56.8,47.575) ; v1(51.6,62.6) v1(51.6,77.4) ; v1(53.2,32.8) 53.2,38.375 56.8,41.975 v1(56.8,45.075)
NetR35_1: R35.1 SW4.1 U1.20 | length 85.4
  Top Layer w0.2: R35.1@24.1,19.775 24.35,19.775 27.585,16.54 SW4.1@29.19,16.54 39.744,27.094 39.744,30.52 42.024,32.8 v1(45.8,32.8) ; U1.20@49.475,78.75 49.485,78.74 50.959,78.74 v1(50.971,78.729) ; v1(50.975,59.275) v1(50.975,62) ; v1(55.85,45.075) v1(55.85,47.575)
  Bottom Layer w0.2: v1(45.8,32.8) 55.85,42.85 v1(55.85,45.075) ; v1(50.971,78.729) 50.973,78.727 50.973,62.002 v1(50.975,62) ; v1(50.975,59.275) 55.85,54.4 v1(55.85,47.575)
NetR36_1: R36.1 SW5.1 U1.45 | length 82.3
  Top Layer w0.2: v1(41.164,76.745) 42.72,76.745 U1.45@42.725,76.75 ; v1(43.8,32) 43.829,31.971 43.829,20.646 44.7,19.775 R36.1@46.1,19.775 46.1,18.4 47.96,16.54 SW5.1@51.19,16.54 ; v1(47.425,62.79) 49.275,60.94 v1(49.275,59.775) ; v1(54.925,45.075) v1(54.925,47.575)
  Bottom Layer w0.2: v1(41.164,76.745) 41.164,74.964 38.6,72.4 38.6,67.6 39.7,66.5 43.715,66.5 v1(47.425,62.79) ; v1(43.8,32) 43.8,32.725 54.925,43.85 v1(54.925,45.075) ; v1(49.275,59.775) 54.925,54.125 v1(54.925,47.575)
NetR37_1: R37.1 SW6.1 U1.19 | length 101.3
  Top Layer w0.2: U1.19@49.475,78.25 49.485,78.24 51.58,78.24 v1(51.596,78.224) ; v1(76.05,56.65) 76.05,56.569 85.044,47.575 v1(93.5,47.575) v1(93.5,45.075) ; v1(76.05,60.075) v1(76.05,63.175) ; v1(93.5,30.15) 93.5,25.1 93.488,25.088 93.488,21.612 95.325,19.775 R37.1@97.1,19.775 97.1,18 98.56,16.54 SW6.1@102.19,16.54
  Bottom Layer w0.2: v1(51.596,78.224) 51.637,78.224 52.413,79 55.325,79 60.275,74.05 69.075,74.05 72.825,70.3 72.825,66.4 v1(76.05,63.175) ; v1(76.05,56.65) v1(76.05,60.075) ; v1(93.5,30.15) v1(93.5,45.075)
NetR38_1: R38.1 U1.30 | length 101.5
  Top Layer w0.2: U1.30@46.35,81.375 46.35,85.425 49.075,88.15 49.075,89.675 49.8,90.4 75,90.4 87.732,77.668 87.732,57.032 v1(87.675,56.975) ; R38.1@83,31.825 v1(83,32.8) ; v1(83,45.075) v1(83,47.575)
  Bottom Layer w0.2: v1(83,32.8) v1(83,45.075) ; v1(83,47.575) 83,52.3 v1(87.675,56.975)
NetR39_1: R39.1 U1.34 | length 104.1
  Top Layer w0.2: v1(2.8,45.9) 2.8,53.925 29.525,80.65 36.825,80.65 39.975,83.8 43.736,83.8 44.65,82.886 44.65,82.417 44.35,82.117 U1.34@44.35,81.375 ; v1(10.325,31.85) 32.975,31.85 R39.1@33,31.825
  Bottom Layer w0.2: v1(2.8,45.9) 2.8,39.375 v1(10.325,31.85)
NetR41_1: R41.1 U1.29 | length 108.4
  Top Layer w0.2: U1.29@46.85,81.375 46.85,85.05 49.675,87.875 49.675,89.35 50.125,89.8 74.75,89.8 87.125,77.425 v1(87.125,59.6) ; v1(100.625,45.075) v1(100.625,47.575) ; R41.1@106,31.825 v1(106,32.8)
  Bottom Layer w0.2: v1(87.125,59.6) 99.15,47.575 v1(100.625,47.575) ; v1(100.625,45.075) 100.625,34.375 102.2,32.8 v1(106,32.8)
NetR43_1: R43.1 SW7.B U1.26 | length 117.2
  Top Layer w0.2: U1.26@48.35,81.375 48.35,82.775 49.85,84.275 49.85,85.825 52.625,88.6 59.85,88.6 70.875,77.575 82.175,77.575 85.6,74.15 85.6,56.675 87.05,55.225 98.775,55.225 101.825,58.275 126.825,58.275 SW7.B@129.1,56
  Top Layer w0.254: SW7.B@129.1,56 132.325,56 132.927,55.398 132.927,54.398 R43.1@133.225,54.1
NetR44_1: R44.1 SW7.A U1.39 | length 108.3
  Top Layer w0.2: v1(41.65,79.75) U1.39@42.725,79.75 ; v1(66.975,78.9) 70.025,75.85 81.65,75.85 82.925,74.575 82.925,71.825 84.2,70.55 84.2,55.95 86.05,54.1 R44.1@120.075,54.1 120.283,54.308 120.283,55.383 120.9,56 SW7.A@124.1,56
  Bottom Layer w0.2: v1(41.65,79.75) 42.125,80.225 56.125,80.225 60.1,76.25 64.325,76.25 v1(66.975,78.9)
NetR45_1: R45.1 U1.37 | length 37.9
  Top Layer w0.2: v1(40,82.7) 40,82.3 41.55,80.75 U1.37@42.725,80.75 ; v1(70,81.2) R45.1@70,82.175
  Bottom Layer w0.2: v1(40,82.7) 43.075,85.775 62.225,85.775 66.8,81.2 v1(70,81.2)
ROUT+: C33.1 J5.3 TP29.1 U3.19 | length 103.5
  Top Layer w0.2: U3.19@46.265,51.875 46.94,51.875 v1(47.326,51.489)
  Top Layer w0.8: v1(51.8,51.5) 51.8,52.831
  Top Layer w1.2: 51.8,52.831 53.094,54.125 71.275,54.125 84.7,40.7 TP29.1@106,40.7 v1(107.3,40.7) C33.1@108.9,40.7 ; v1(112.325,32.9) 124,21.225 J5.3@124,14.35
  Bottom Layer w0.6: v1(47.326,51.489) 47.331,51.495 51.795,51.495 v1(51.8,51.5)
  Bottom Layer w0.8: v1(107.3,40.7) 107.3,37.9 112.3,32.9 v1(112.325,32.9)
ROUT-: C35.1 TP30.1 U3.20 | length 68.8
  Top Layer w0.2: U3.20@46.265,52.375 46.284,52.356 47.131,52.356 v1(47.149,52.337)
  Top Layer w1.2: v1(52.9,51.5) 70.175,51.5 83.575,38.1 TP30.1@106,38.1 C35.1@108.9,38.1
  Bottom Layer w0.6: v1(47.149,52.337) 52.549,52.337 52.9,51.986 v1(52.9,51.5)
SPI1_MISO: TP21.1 U1.16 U2.8 | length 14.5
  Top Layer w0.2: U1.16@49.475,76.75 50.55,76.75 53,74.3 54.3,74.3 54.538,74.538 54.538,75.562 54.3,75.8 53.6,75.8 52.4,77 52.4,79.43 53.895,80.925 U2.8@53.895,80.975
SPI1_MOSI: TP23.1 U1.17 U2.1 | length 5.3
  Top Layer w0.2: U1.17@49.475,77.25 50.85,77.25 52.2,75.9 52.987,75.113 53.807,75.113 U2.1@53.895,75.025
SPI1_SCK: TP22.1 U1.15 U2.2 | length 8.1
  Top Layer w0.2: U1.15@49.475,76.25 50.25,76.25 52.9,73.6 54.9,73.6 55.165,73.865 U2.2@55.165,75.025
pads on no net: J4.1 J4.4 J6.3 J6.4 J6.5 J6.6 J6.7 J6.8 J6.9 J6.10 J6.14 J6.32 J6.33 SW2.1 SW2.2 SW3.MH1 SW3.MH2 SW3.MH3 SW4.MH1 SW4.MH2 SW4.MH3 SW5.MH1 SW5.MH2 SW5.MH3 SW6.MH1 SW6.MH2 SW6.MH3 SW7.1 SW7.2 SW8.3 SW8.4 U1.2 U1.4 U1.11 U1.12 U3.11 U3.12 U3.13 U3.14 U3.15 U3.16 U3.24 U3.25 VREG3.2 VREG3.4 VREG3.5
copper on no net: | length 0.1
  Bottom Layer w0.2: 119.925,45.825 120,45.825
  other v2: 29.25,27 36.75,27 51.25,27 58.75,27 79.25,27 86.75,27 102.25,27 109.75,27 66.25,87 73.75,87
  other v4: 5,5 135,5 70,35 5,78 135,87

## Polygon pours and split planes (outlines as drawn)
GND on Top Layer "NONET_L-01_P-001" (solid, pour order 42): 0,81.35 0,0 140,0 140,92 35.3,92 35.25,91.95 35.25,81.35
NetC39_1 on Top Layer "NETC39_1_L01_P039" (solid, pour order 39): 116.15,37.9 117.1,37.9 117.1,36.075 117.4,36.075 117.4,35.525 114.575,35.525 114.575,36.15 113.55,37.175 113.55,39.225 115.7,39.225 115.75,39.175 116.15,39.175
NetC39_2 on Top Layer "NETC39_2_L01_P033" (solid, pour order 33): 117.9,36.55 117.875,36.525 117.875,36.075 117.6,36.075 117.6,35.525 126.1,35.525 126.1,39.725 120.625,39.725 120.075,39.175 118.85,39.175 118.85,38.5 117.9,38.5
NetJ2_2 on Top Layer "NETJ2_2_L01_P034" (solid, pour order 34): 118.85,43.1 117.9,43.1 117.9,44.45 126.1,44.45 126.1,40.325 120.625,40.325 120.125,40.825 118.85,40.825
NetC40_1 on Top Layer "NETC40_1_L01_P037" (solid, pour order 37): 22.913,43.925 22.65,43.925 22.65,44.425 25.225,44.425 25.225,43.725 26.05,42.9 26.05,40.775 23.847,40.775 23.847,42.1 22.913,42.1
NetJ3_2 on Top Layer "NETJ3_2_L01_P032" (solid, pour order 32): 19.925,39.175 21.15,39.175 21.15,37.125 22.125,37.125 22.125,35.55 13.875,35.55 13.875,39.725 19.375,39.725
NetC40_2 on Top Layer "NETC40_2_L01_P031" (solid, pour order 31): 21.15,40.825 21.15,42.1 22.135,42.1 22.135,44.425 13.875,44.425 13.875,40.25 19.4,40.25 19.975,40.825
+12V on Top Layer "+12V_L01_P023" (solid, pour order 23): 100.6,83.85 101.875,83.85 101.875,81.7 104.425,81.7 105.3,80.825 105.3,76.5 106.5,76.5 106.5,75.3 107.2,75.3 107.2,74.2 107.825,74.2 108.125,74.5 114.35,74.5 114.35,76.7 119.9,76.7 119.9,75.1 133.9,75.1 133.9,83.3 126.8,83.3 126.8,80.8 118,80.8 115.7,83.1 105.9,83.1 104.6,84.4 104.6,86.5 100.6,86.5
GND on Top Layer "Top Layer-GND" (solid, pour order 29): 104.3,67 108,67 108,68.4 111.296,68.4 111.296,73.1 108.6,73.1 108.1,73.1 108.1,72.725 107,72.725 107,74.6 106,74.6 106,73.275 104.974,73.275 104.974,73.65 104.3,73.65
+1V8 on Top Layer "Top Layer-No Net" (solid, pour order 17): 104.1,68.4 104.1,73.85 104.675,73.85 105.025,74.2 105.8,74.2 105.8,74.6 100.1,74.6 100.1,68.4
NetC34_2 on Top Layer "NETC34_2_L01_P035" (solid, pour order 35): 26.75,40.425 26.75,38.525 29.675,38.525 29.675,40.425
NetC35_2 on Top Layer "NETC35_2_L01_P041" (solid, pour order 41): 112.845,39.223 112.845,37.33 112.85,37.325 109.925,37.325 109.925,39.225 112.85,39.225
NetC33_2 on Top Layer "NETC33_2_L01_P040" (solid, pour order 40): 109.925,41.475 109.925,39.575 112.1,39.575 112.85,39.575 112.85,41.475
NetC36_2 on Top Layer "NETC36_2_L01_P036" (solid, pour order 36): 26.75,40.775 29.675,40.775 29.675,42.675 26.75,42.675
+3V3 on Top Layer "+3V3_L01_P022" (solid, pour order 22): 90,83.5 90,88.7 95,88.7 95,83.5 98,83.5 100.9,80.6 104.1,80.6 104.1,79.4 100.925,79.4 99.7,78.175 99.7,74.2 90,74.2
+5V on Top Layer "+5V_L01_P021" (solid, pour order 21): 108.4,68.1 108.4,60.9 118.4,60.9 118.4,73 111.5,73 111.5,68.1
NetJ1_1 on Top Layer "INPUT_POWER_POUR" (solid, pour order 20): 119.7,83.1 119.7,81.1 126.5,81.1 126.5,87.9 128,89.4 129.8,89.4 129.8,91.2 124.4,91.2 124.4,86.9 120.6,83.1
+1V8 on Layer 2 "+1V8_L03_P026" (solid, pour order 26): 83.875,60.7 83.875,74.8 104.2,74.8 104.2,73.8 104.2,46.6 30.8,46.6 30.8,63.425 39.2,63.425 39.2,56.65 47.8,56.65 47.8,59.4 49.1,60.7
+3V3 on Layer 2 "+3V3_L03_P028" (solid, pour order 28): 94.9,77.9 78.4,77.9 78.4,61.4 48.8,61.4 47.1,59.7 47.1,57.35 39.875,57.35 39.875,64.1 30.15,64.1 30.15,53.275 12.6,53.275 12.6,23.55 124.7,23.55 124.7,53 118.85,53 118.85,74.8 140,74.8 140,0 0,0 0,81.475 35.3,81.475 35.3,92 48.2,92 94.9,92
+5V on Layer 2 "+5V_L03_P027" (solid, pour order 27): 30.175,45.9 30.175,52.625 13.3,52.625 13.3,24.25 124,24.25 124,52.3 118.15,52.3 118.15,67.5 104.9,67.5 104.9,45.9
+12V on Layer 2 "+12V_L03_P030" (solid, pour order 30): 140,92 140,75.5 83.175,75.5 83.175,61.4 79.1,61.4 79.1,77.2 95.6,77.2 95.6,92
GND on Layer 2 "GND_L03_P025" (solid, pour order 25): 46.368,74.2 46.9,74.2 46.9,73.134 46.944,73.09 46.944,71 47.202,70.632 47.202,68.502 45.9,67.2 41.6,67.2 40.4,68.4 40.4,70.7 41.8,72.1 42.71,72.1 44.7,74.109 44.7,74.8 44.714,75.373 44.711,76.089 44.714,76.093 46.368,76.093 46.368,75.554
GND on Layer 1 "Layer 1-GND" (solid, pour order 24): 0,0 140,0 140,92 35.3,92 35.3,81.425 0,81.425
GND on Bottom Layer "NONET_L-01_P-001" (solid, pour order 43): 0,81.4 0,0 140,0 140,92 35.25,92 35.25,81.4 1.645,81.4

## Keep-outs
Top Layer:
  region: 52.691,52.279 52.691,52.581 53.428,53.318 70.941,53.318 84.384,39.875 107.775,39.875 107.925,39.725 108.5,39.725 108.5,39.075 107.925,39.075 107.925,38.907 107.918,38.9 83.925,38.9 70.525,52.3 52.712,52.3
  region: 51.11,49.89 51.11,48.356 51.475,47.991 51.475,41.3 51.268,41.093 31.675,41.093 31.675,40.925 31.025,40.925 31.025,40.275 31.675,40.275 31.675,40.107 32.093,40.107 32.1,40.1 32.107,40.107 51.944,40.107 51.944,49.149 51.203,49.89

## Other copper
Layer 1:
  pour cut-out: 46.463,74.1 46.8,74.1 46.8,73.327 46.807,73.333 47.454,72.552 47.359,68.259 46.1,67 41.7,67 40.286,68.414 40.286,70.786 41.7,72.2 42.7,72.2 44.3,73.8 44.5,74 44.5,74.4 44.5,76.163 46.463,76.163 46.463,75.437

## Silkscreen, mask and mechanical layers (free items; w line width, h text height)
Top Overlay:
  region: 4958 vertices and 11 holes, not listed, extent 1.566,11.596 22.766,21.462
  text "Plainsong Metronome B" at 5.7,10.136 h1.52
Bottom Overlay:
  drawing of 277 lines, arcs and shapes, not listed
Doc Field:
  drawing of 56 lines, arcs and shapes, not listed
  text "8" at -52.384,146.984 h2
  text "7" at -15.234,146.984 h2
  text "6" at 21.916,146.984 h2
  text "5" at 59.016,146.984 h2
  text "4" at 96.116,146.984 h2
  text "3" at 133.241,146.984 h2
  text "2" at 170.366,146.984 h2
  text "1" at 207.916,146.984 h2
  text "F" at -68.834,131.484 h2
  text "F" at 224.166,131.484 h2
  text "E" at -68.834,96.484 h2
  text "E" at 224.166,96.484 h2
  text "D" at -68.834,61.484 h2
  text "D" at 224.166,61.484 h2
  text "C" at -68.909,26.509 h2
  text "C" at 224.091,26.509 h2
  text "B" at -68.884,-8.516 h2
  text "B" at 224.116,-8.516 h2
  text ".Address" at 173.741,-21.933 h1
  text ".Contact" at 173.741,-23.933 h1
  text ".Website" at 173.741,-26.266 h1
  text ".Title" at 134.741,-30.366 h1.2
  text ".Engineer" at 198.991,-30.516 h1
  text "Engineer:" at 183.737,-30.628 h1.5
  text "Title:" at 122.015,-30.874 h1.5
  text "Approval:" at 183.737,-34.438 h1.5
  text ".Approver" at 198.991,-34.516 h1
  text ".Project" at 134.741,-34.616 h1.2
  text "Project:" at 122.015,-34.692 h1.5
  text "Date:" at 183.737,-37.986 h1.5
  text ".Approval_Date" at 198.991,-38.016 h1
  text "Sch Rev:" at 122.015,-38.748 h1.5
  text ".Sch_Rev" at 134.741,-38.766 h1.2
  text "Date:" at 153.741,-38.766 h1.5
  text ".Rev_Date" at 161.741,-38.766 h1.2
  text "LIBRARY" at 161.741,-42.516 h1.5
  text "A4" at 198.491,-42.516 h1.8
  text "REFERENCE DOCUMENTS" at 122.015,-42.558 h1.5
  text "Size:" at 183.737,-42.558 h1.5
  text "A" at -68.934,-43.516 h2
  text "A" at 224.066,-43.516 h2
  text ".Pcb_Scale" at 198.491,-45.016 h1
  text "Scale:" at 183.737,-45.098 h1.5
  text ".BoM_Doc" at 131.241,-45.683 h1
  text ".Library" at 161.991,-45.683 h1
  text "Rev:" at 145.741,-45.766 h1.5
  text ".BoM_Rev" at 152.241,-45.766 h1
  text "BoM:" at 122.015,-45.86 h1.5
  text ".DocumentName" at 198.491,-47.766 h1.2
  text "File Name:" at 183.737,-47.892 h1.5
  text "Rev:" at 145.741,-49.016 h1.5
  text ".Sch_Rev" at 152.241,-49.016 h1
  text ".Sch_Doc" at 131.241,-49.099 h1
  text "SCH:" at 122.015,-49.162 h1.5
  text "Rev:" at 145.741,-52.266 h1.5
  text ".Draft_Rev" at 152.241,-52.266 h1
  text ".Draft_Doc" at 131.241,-52.349 h1
  text "Draft:" at 122.015,-52.464 h1.5
  text "8" at -52.384,-59.016 h2
  text "7" at -15.234,-59.016 h2
  text "6" at 21.916,-59.016 h2
  text "5" at 59.016,-59.016 h2
  text "4" at 96.116,-59.016 h2
  text "3" at 133.241,-59.016 h2
  text "2" at 170.366,-59.016 h2
  text "1" at 207.866,-59.016 h2

## Text inside footprints (layer, text, board x,y; h text height)
J2: Top Overlay "1" at 123.975,36.55 h1
J3: Top Overlay "1" at 16.525,41.375 h1
J5: Top Overlay "1" at 117.175,14.125 h1
J6: Top Overlay "1" at 62.15,66.725 h1; Mechanical 1 "PCB EDGE" at 56.975,60.35 h0.3
SW1: Top Overlay "1" at 130.2,90.825 h1
U10: Top Overlay "1" at 42.475,86.275 h1
X1: Top Overlay "1" at 42.075,67.275 h1